# Altium PCB rx_board.PcbDoc
Units mil, origin at the board's own origin, x right, y up, seen from the top; angles counter-clockwise.
Board outline 1968.5 x 1968.5 mil, 2 copper layers (Top Layer, Bottom Layer); 19 components, 20 nets, 89 pads, 0 vias.
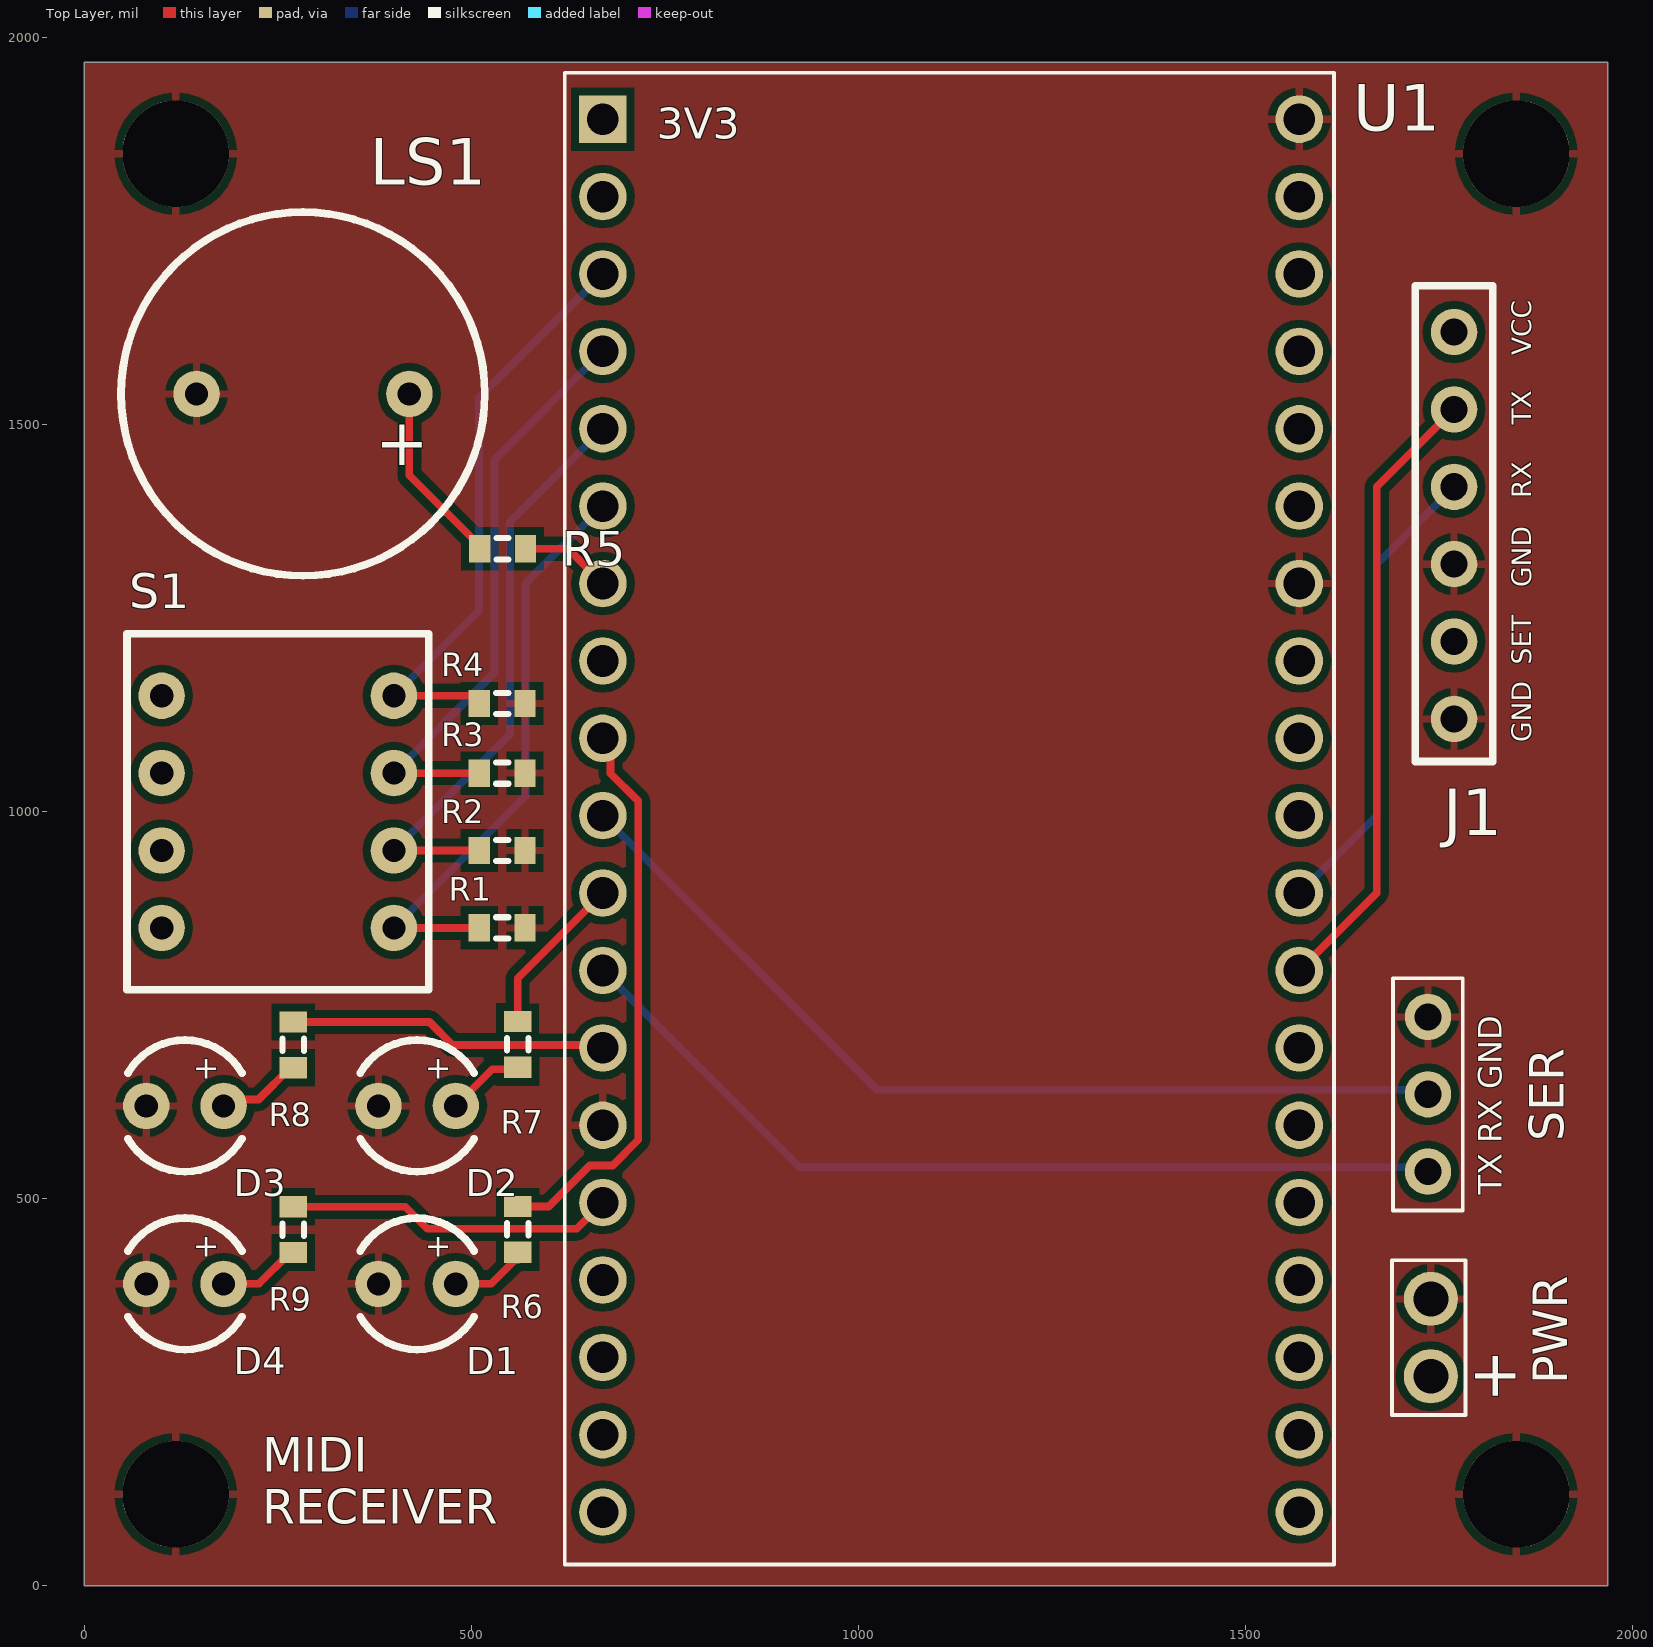
[diagram p0: Top Layer view]
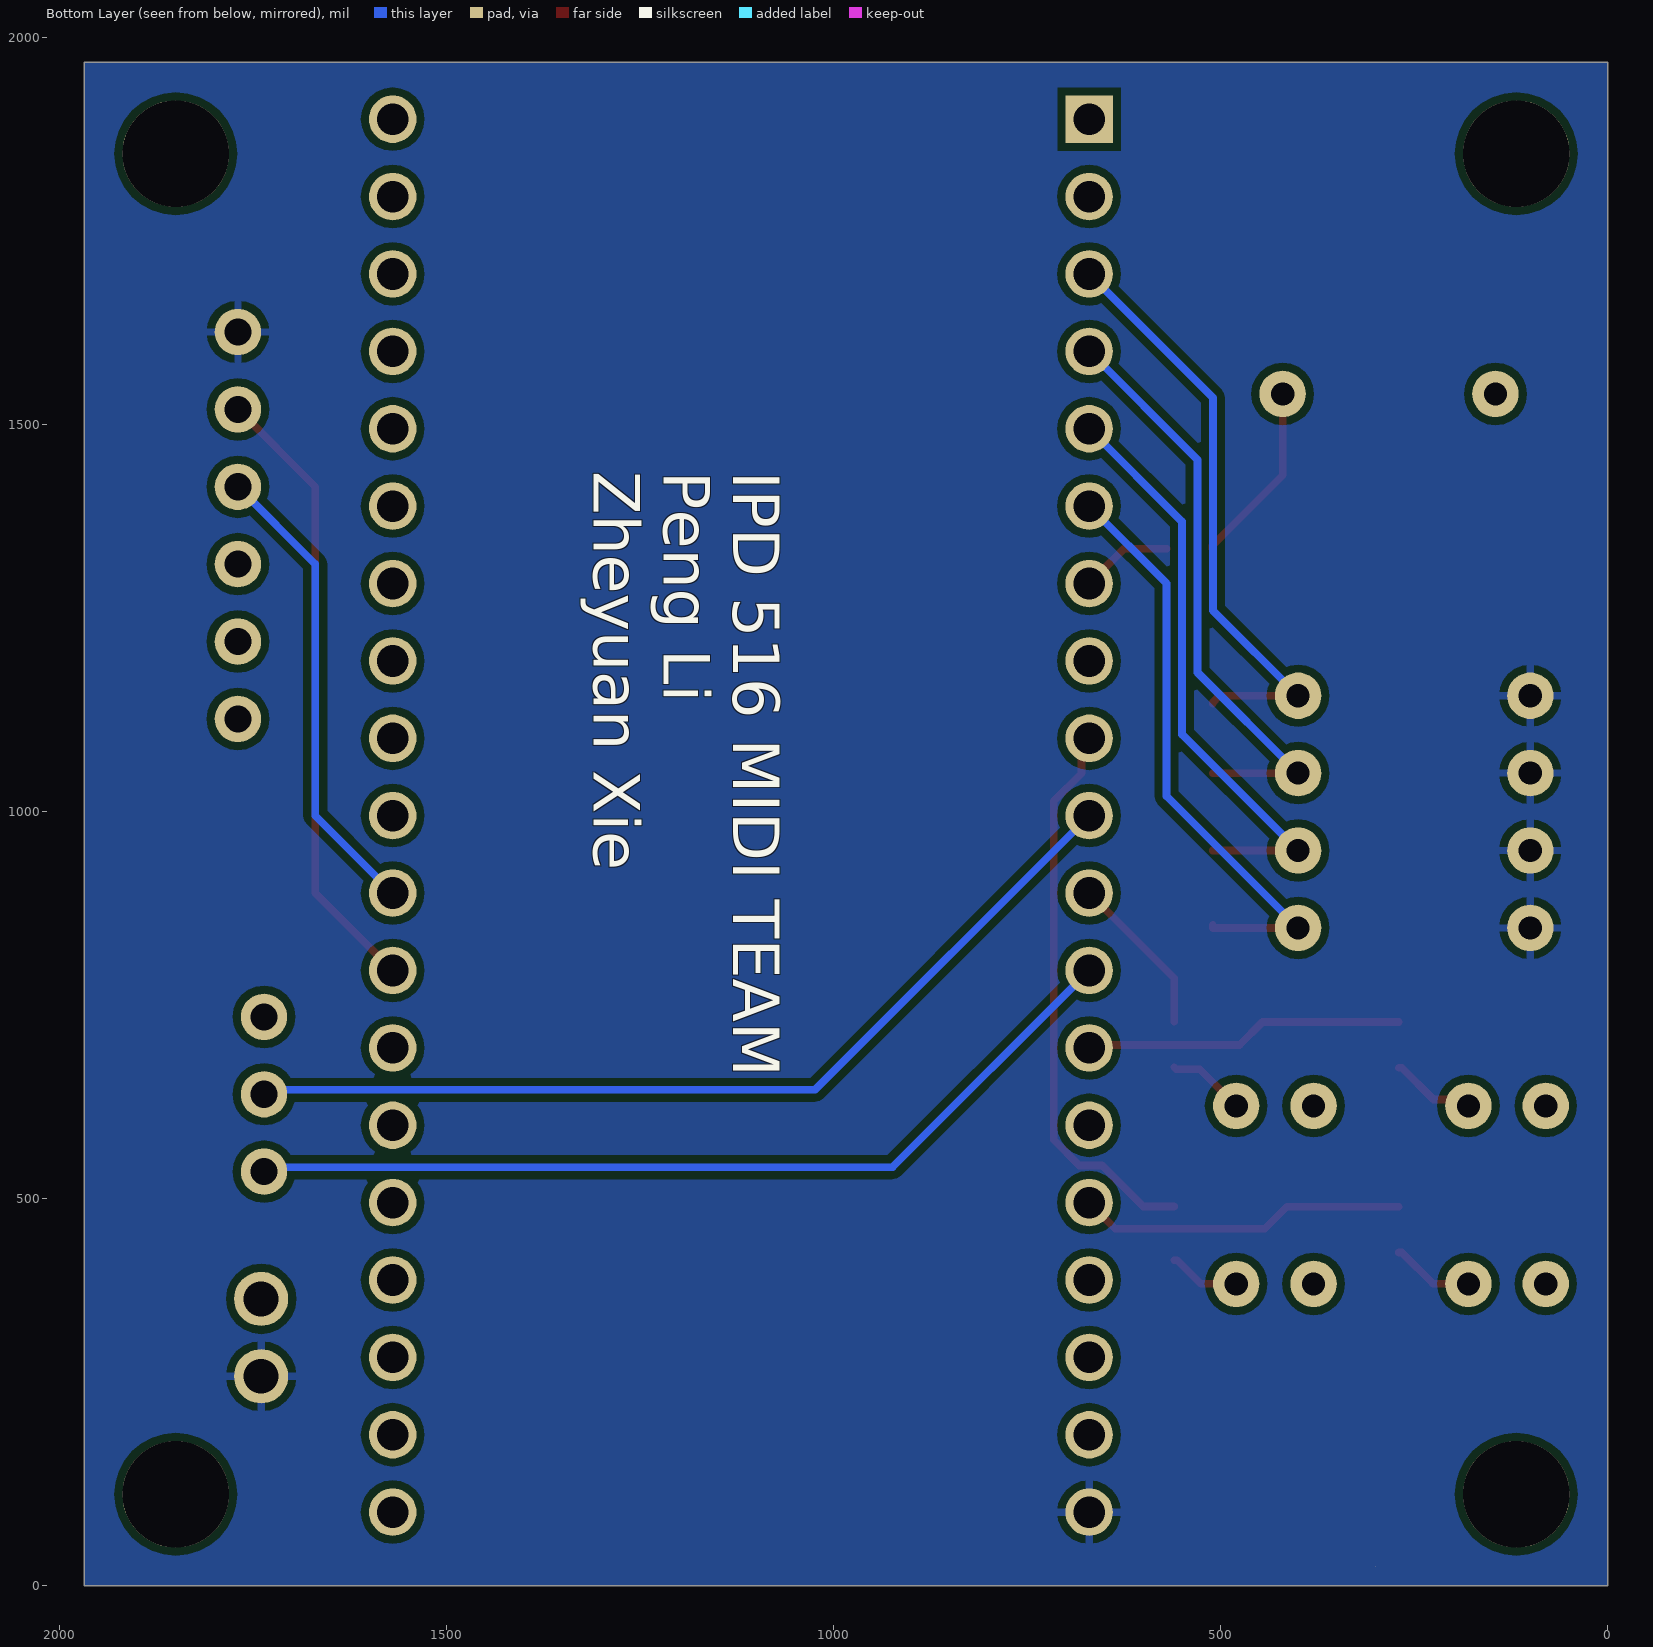
[diagram p1: Bottom Layer view, seen from below]
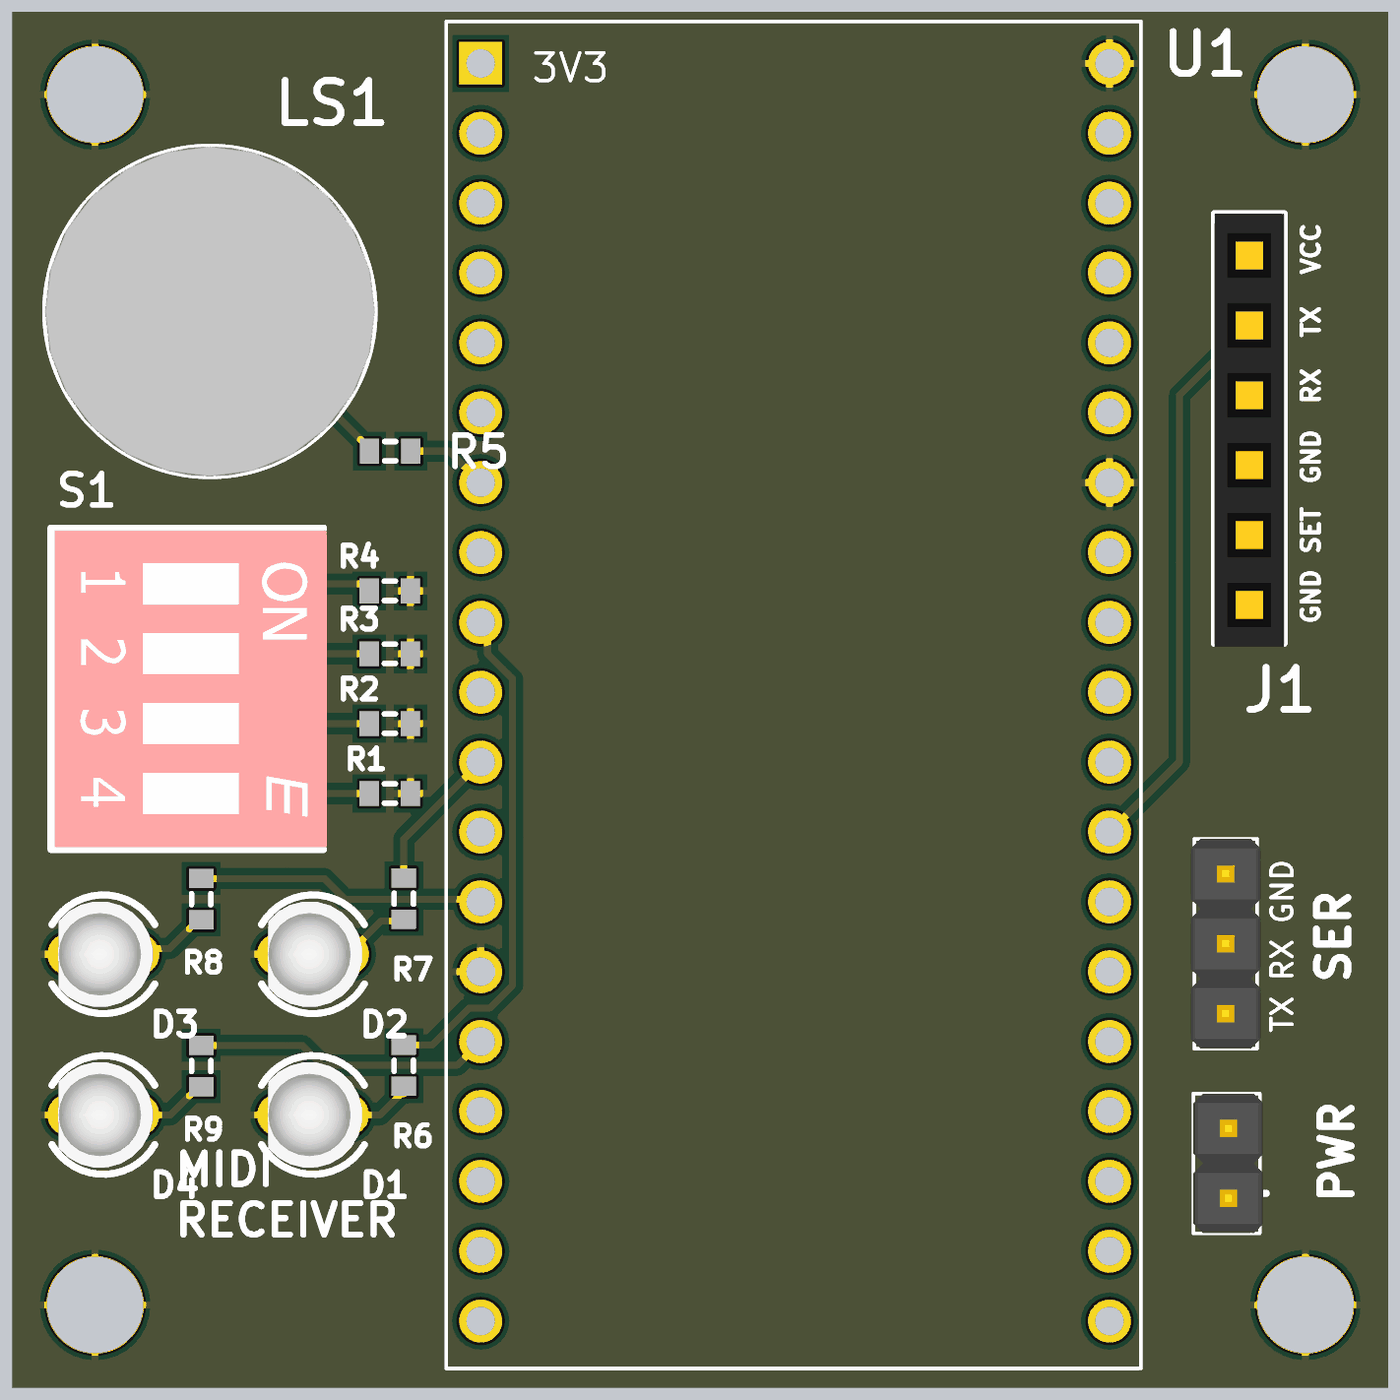
[diagram p2: 3D render of the assembled board from above, using the file's embedded part models]

## Layer stack, top to bottom
Top Solder: solder mask 0.4, Solder Resist, Dk 3.5
Top Layer: signal copper 1.4
Dielectric 1: dielectric 12.6, FR-4, Dk 4.8
Bottom Layer: signal copper 1.4
Bottom Solder: solder mask 0.4, Solder Resist, Dk 3.5

## Board outline
0,0 0,1968.5 1968.5,1968.5 1968.5,0
cut-out: 300,25

## Design rules (kind name [scope] priority, off if disabled: settings)
Clearance Clearance_1 [All] p1: gap=10 ignorepadtopadclearanceinfootprint=FALSE except(0: Arc-Hole Track-Hole SMDPad-Hole THPad-Hole Via-Hole Fill-Hole Poly-Hole Region-Hole Text-Hole)
Clearance [All] p2: gap=10 ignorepadtopadclearanceinfootprint=FALSE except(0: Arc-Hole Track-Hole SMDPad-Hole THPad-Hole Via-Hole Fill-Hole Poly-Hole Region-Hole Text-Hole)
PolygonConnect [All] p1: connectstyle=Relief reliefconductorwidth=10 reliefentries=4 polygonreliefangle="90 Angle" airgapwidth=10
RoutingVias [All] p1: holewidth=28 width=50 viastyle="Through Hole" minholewidth=28 minwidth=50 maxholewidth=28 maxwidth=50
SolderMaskExpansion [All] p1: expansion=4
Width [All] p1: maxlimit=10 minlimit=10 preferedwidth=10
30 further rules are at their usual default settings.

## Components (designator, comment, footprint, x,y, rotation, side; value= is the part's Value field where it differs from the comment)
D1 "LED1" led3mm 480,390 r180 top
D2 "LED1" led3mm 480,620 r180 top
D3 "LED1" led3mm 180,620 r180 top
D4 "LED1" led3mm 180,390 r180 top
J1 "dl20" DL20 1770,1620 r90 top
LS1 "Buzzer" buzzer 420,1540 r180 top
PWR "connector2pin" connector2pin 1740,370.59 r270 top
R1 "Res1" J1-0603 540,850 r180 top value=1K
R2 "Res1" J1-0603 540,950 r180 top value=1K
R3 "Res1" J1-0603 540,1050 r180 top value=1K
R4 "Res1" J1-0603 540,1140 r180 top value=1K
R5 "Res1" J1-0603 540.47,1340 r0 top value=1K
R6 "Res1" J1-0603 560,460.47 r90 top value=1K
R7 "Res1" J1-0603 560,699.53 r90 top value=1K
R8 "Res1" J1-0603 270,698.82 r90 top value=1K
R9 "Res1" J1-0603 270,460 r90 top value=1K
S1 "DIP_SWITCH" DIP_SWITCH_4_SPST 100,1150 r0 top
SER "3 pin connector" connector3pin 1736.31,535 r90 top
U1 "ESP32-DEVKITC-32D" MODULE_ESP32-DEVKITC-32D 1170,1100 r0 top

## Footprints (in the part's own frame and the unit in brackets; to place one, negate y for a bottom-side part, rotate by r counter-clockwise, add the part's x,y. Pads: shape width x height; smd on the part's side, far side on the other; paste and mask are expansions set on the pad)
buzzer [mil] "buzzer"
  round 60 hole 30: 1(0,0) 2(275,0)
  silkscreen extent -98,-235 372,235, body extent -99,-236 374,236, height 345
connector2pin [mil] "2 pim connector"
  round 70 hole 45: 1(0,0) 2(100,0)
  silkscreen extent -50,-50 150,45, body extent -50,-50 150,50, height 374
connector3pin [mil]
  round 60 hole 35: 1(0,0) 2(100,0) 3(200,0)
  silkscreen extent -50,-45 250,45, body extent -50,-50 250,50, height 374
DIP_SWITCH_4_SPST [mil] "SWITCH SLIDE DIP SPST 25MA 24V"
  round 60 hole 30: 1(0,0) 2(300,0) 3(0,-100) 4(300,-100) 5(0,-200) 6(300,-200) 7(0,-300) 8(300,-300)
  silkscreen extent -45,-380 345,80, body extent -45,-377 350,80, height 261
DL20 [mil]
  round 60 hole 35: 1(0,0) 2(-100,0) 3(-200,0) 4(-300,0) 5(-400,0) 6(-500,0)
  silkscreen extent -555,-50 60,50, body extent -560,-50 60,50, height 335
J1-0603 [mm] "Chip Resistor, Body 1.6x0.8mm, IPC High Density"
  rect 0.7x0.9 smd: 1(-0.75,0) 2(0.75,0)
  silkscreen extent -0.2,-0.35 0.2,0.35, body extent -0.85,-0.48 0.85,0.48, height 0.9
led3mm [mil] "3mm LED"
  round 60 hole 30: 1(0,0) 2(100,0)
  silkscreen extent -24,-85 124,85, body extent -21,-76 120,76, height 209
MODULE_ESP32-DEVKITC-32D [mm]
  rect 1.56x1.56 hole 1.04: 1(-12.7,20.193)
  round 1.56 hole 1.04: 2(-12.7,17.653) 3(-12.7,15.113) 4(-12.7,12.573) 5(-12.7,10.033) 6(-12.7,7.493) 7(-12.7,4.953) 8(-12.7,2.413) 9(-12.7,-0.127) 10(-12.7,-2.667) 11(-12.7,-5.207) 12(-12.7,-7.747) 13(-12.7,-10.287) 14(-12.7,-12.827) 15(-12.7,-15.367) 16(-12.7,-17.907) 17(-12.7,-20.447) 18(-12.7,-22.987) 19(-12.7,-25.527) 20(10.16,20.193) 21(10.16,17.653) 22(10.16,15.113) 23(10.16,12.573) 24(10.16,10.033) 25(10.16,7.493) 26(10.16,4.953) 27(10.16,2.413) 28(10.16,-0.127) 29(10.16,-2.667) 30(10.16,-5.207) 31(10.16,-7.747) 32(10.16,-10.287) 33(10.16,-12.827) 34(10.16,-15.367) 35(10.16,-17.907) 36(10.16,-20.447) 37(10.16,-22.987) 38(10.16,-25.527)
  silkscreen extent -13.95,-27.25 11.3,21.72, body extent -14.35,-27.47 11.56,21.84, height 7.39

## Part data
D1 D2 D3 D4: "Typical RED GaAs LED", LatestRevisionDate=08-Jul-2005, LatestRevisionNote="Mech Layer 1 removed.", PackageDescription="LED; 2 Leads", PackageReference=LED-1, Published=8-Jun-2000, Publisher="Altium Limited"
R1 R2 R3 R4 R5 R6 R7 R8 R9: "Resistor", LatestRevisionDate=17-Jul-2002, LatestRevisionNote="Re-released for DXP Platform.", PackageDescription="Axial Device, Thru-Hole; 2 Leads; 0.3 in Pin Spacing", PackageReference=AXIAL-0.3, Published=8-Jun-2000, Publisher="Altium Limited"
SER: library part CONNECTOR3PIN
U1: "Eval Board For Esp-Wroom-32", Package=None, Availability=Unavailable, MF="Espressif Systems", MP=ESP32-DEVKITC-32D, Price=None, SnapEDA_Link=https://www.snapeda.com/parts/ESP32-DEVKITC-32D/Espressif%20Systems/view-part/?ref=snap

## Free pads (board coordinates)
  round 137.8 hole 137.8: 2(118.11,118.11) 2(118.11,1850.39) 2(1850.39,118.11) 2(1850.39,1850.39)

## Nets (pads, with @x,y where several pads share a name; then routed paths per layer and width w, separated by ;. In a path a pad name is that pad's centre, name@x,y a point inside that pad or via, vN(x,y) a via of type N, cw(c..) or ccw(c..) an arc to the next point about the centre after c; other vN are vias at no path point)
+5: J1.1 PWR.2 S1.1 S1.3 S1.5 S1.7 U1.19
GND: D1.2 D2.2 D3.2 D4.2 J1.4 J1.6 LS1.2 pad.2 PWR.1 R1.1 R2.1 R3.1 R4.1 SER.3 U1.14 U1.20 U1.26
NetD1_1: D1.1 R6.1 | length 92.6
  Top Layer w10: D1.1 525.59,390 556.06,420.47 R6.1@560,420.47
NetD2_1: D2.1 R7.1 | length 100.7
  Top Layer w10: D2.1 527.28,667.28 557.28,667.28 R7.1
NetD3_1: D3.1 R8.1 | length 110.4
  Top Layer w10: D3.1 188.23,628.23 225,628.23 266.06,669.29 R8.1
NetD4_1: D4.1 R9.1 | length 106.8
  Top Layer w10: D4.1 225.59,390 266.06,430.47 R9.1
NetJ1_2: J1.2 U1.31 | length 807.8
  Top Layer w10: U1.31 1670.14,895.14 1670.14,1420.14 J1.2
NetJ1_3: J1.3 U1.30 | length 607.8
  Bottom Layer w10: U1.30 1670.14,995.14 1670.14,1320.14 J1.3
NetLS1_1: LS1.1 R5.1 | length 237.7
  Top Layer w10: LS1.1 420,1434.88 510.94,1343.94 R5.1
NetR1_2: R1.2 S1.8 U1.6 | length 771.2
  Top Layer w10: S1.8 R1.2 R1.2@510.47,853.94
  Bottom Layer w10: S1.8 570,1020 570,1295 U1.6
NetR2_2: R2.2 S1.6 U1.5 | length 767.3
  Top Layer w10: S1.6 R2.2
  Bottom Layer w10: S1.6 550,1100 550,1375 U1.5
NetR3_2: R3.2 S1.4 U1.4 | length 767.3
  Top Layer w10: S1.4 R3.2
  Bottom Layer w10: S1.4 530,1180 530,1455 U1.4
NetR4_2: R4.2 S1.2 U1.3 | length 772.2
  Top Layer w10: S1.2 501.69,1150 510.47,1141.22 R4.2
  Bottom Layer w10: S1.2 510,1260 510,1535 U1.3
NetR5_2: R5.2 U1.7 | length 118.6
  Top Layer w10: R5.2 625,1340 U1.7
NetR6_2: R6.2 U1.9 | length 729.2
  Top Layer w10: R6.2 600,490 653.03,543.03 682.68,543.03 715.71,576.07 715.71,1013.93 679.84,1049.8 679.84,1085.16 U1.9
NetR7_2: R7.2 U1.11 | length 211.5
  Top Layer w10: R7.2 560,785 U1.11
NetR8_2: R8.2 U1.13 | length 413.8
  Top Layer w10: R8.2 446.06,728.35 475.62,698.78 666.22,698.78 U1.13
NetR9_2: R9.2 U1.15 | length 425.7
  Top Layer w10: R9.2 414.78,489.53 443.09,461.22 636.22,461.22 U1.15
NetSER_1: SER.1 U1.12 | length 1166.6
  Bottom Layer w10: U1.12 924.29,540.71 SER.1@1731.31,540.71
NetSER_2: SER.2 U1.10 | length 1209.1
  Top Layer w10: SER.2@1735.6,635.71 SER.2
  Bottom Layer w10: U1.10 1024.29,640.71 SER.2@1731.31,640.71
pads on no net: J1.5 U1.1 U1.2 U1.8 U1.16 U1.17 U1.18 U1.21 U1.22 U1.23 U1.24 U1.25 U1.27 U1.28 U1.29 U1.32 U1.33 U1.34 U1.35 U1.36 U1.37 U1.38

## Polygon pours and split planes (outlines as drawn)
GND on Top Layer "Top Layer-No Net" (solid, pour order 18): 0,0 1968.5,0 1968.5,1968.5 0,1968.5
+5 on Bottom Layer "Bottom Layer-No Net" (solid, pour order 20): 0,1968.5 1968.5,1968.5 1968.5,0 0,0

## Silkscreen, mask and mechanical layers (free items; w line width, h text height)
Top Overlay:
  text "+" at 1850,236.06 h60 r90
  text "MIDI / RECEIVER" at 230,80 h45
Bottom Overlay:
  text "IPD 516 MIDI TEAM / Peng Li / Zheyuan Xie" at 1310,1440 h60 r90
Mechanical 1:
  the board outline again, w0.5

## Text inside footprints (layer, text, board x,y; h text height)
D1: Top Overlay "+" at 475,450 h30 r180
D2: Top Overlay "+" at 475,680 h30 r180
D3: Top Overlay "+" at 175,680 h30 r180
D4: Top Overlay "+" at 175,450 h30 r180
J1: Top Overlay "VCC" at 1870,1590 h25 r90; Top Overlay "TX" at 1870,1500 h25 r90; Top Overlay "RX" at 1870,1405 h25 r90; Top Overlay "GND" at 1870,1290 h25 r90; Top Overlay "SET" at 1870,1190 h25 r90; Top Overlay "GND" at 1870,1090 h25 r90
LS1: Top Overlay "+" at 445,1500 h60 r180
SER: Top Overlay "TX RX GND" at 1831.31,505 h30 r90
U1: Top Overlay "3V3" at 740,1870 h40